# Altium PCB 3-as-manufactured.PcbDoc (part 4 of 16)
Units mil, origin at the board's own origin, x right, y up, seen from the top; angles counter-clockwise.
Board outline 4130.55 x 4250 mil, 8 copper layers (L1_TOP, L2_GND, L3_INT, L4_PWR, L5_PWR, L6_INT, L7_GND, L8_BOT), stack 61 mil thick; 584 components, 489 nets, 2229 pads, 1894 vias.
Unrouted connection lines stored in the file: 4.
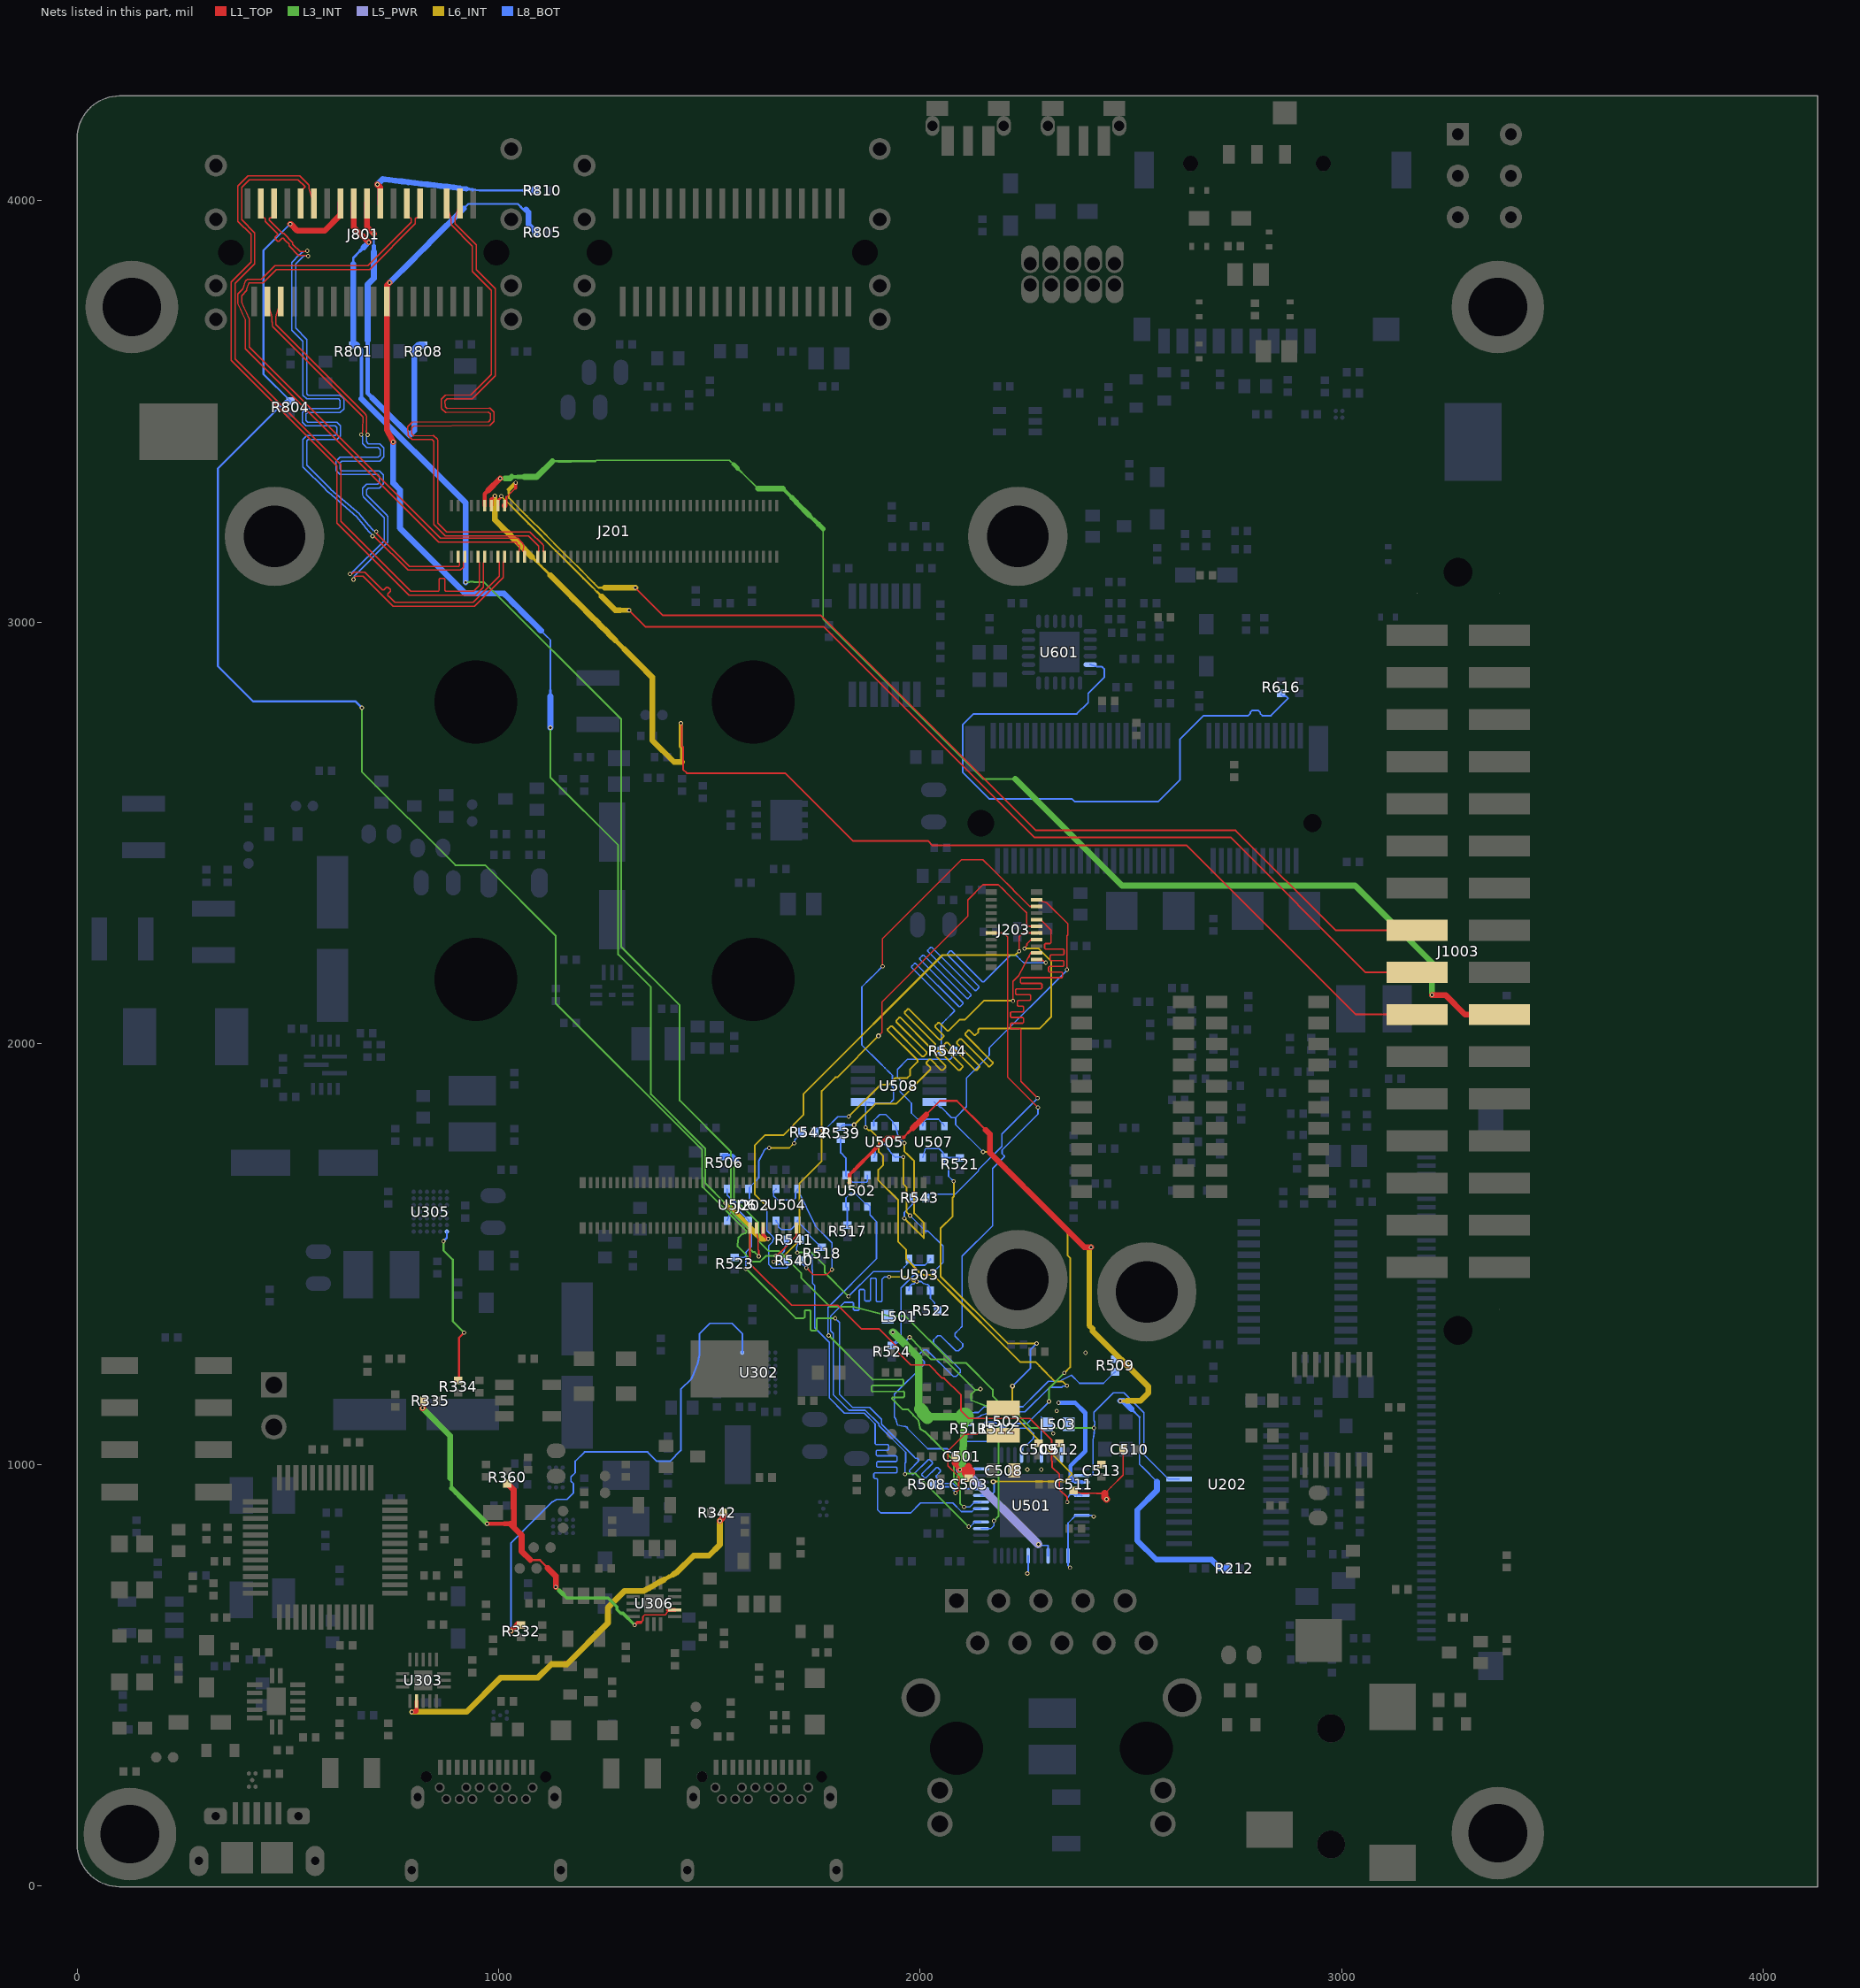
[diagram p10: the nets of this part, all layers, seen from the top]

## Via types
v1: diameter 10, hole 5.9, L1_TOP to L8_BOT, tented both sides, 1703 vias
v2: diameter 12, hole 5.9, L1_TOP to L8_BOT, tented both sides, 110 vias
v3: diameter 10, hole 6, L1_TOP to L8_BOT, tented both sides, 69 vias
v4: diameter 12, hole 6, L1_TOP to L8_BOT, tented both sides, 12 vias

## Nets (pads, with @x,y where several pads share a name; then routed paths per layer and width w, separated by ;. In a path a pad name is that pad's centre, name@x,y a point inside that pad or via, vN(x,y) a via of type N, cw(c..) or ccw(c..) an arc to the next point about the centre after c; other vN are vias at no path point) (continued)
DIF1_P: R616.1 U601.17 | length 1557.8
  L8_BOT w4: U601.17@2403.41,2899.33 2419.45,2894.13 2429.37,2894.13 2429.49,2894.12 2429.61,2894.12 2429.73,2894.11 2429.85,2894.1 2429.97,2894.08 2430.09,2894.07 2430.21,2894.05 2430.33,2894.02 2430.45,2894 2430.57,2893.97 2430.69,2893.93 2430.8,2893.9 2430.92,2893.86 2431.03,2893.82 2431.15,2893.77 2431.26,2893.72 2431.37,2893.67 2431.48,2893.62 2431.59,2893.56 2431.69,2893.5 2431.8,2893.44 2431.9,2893.38 2432,2893.31 2432.1,2893.24 2432.2,2893.17 2432.3,2893.09 2432.39,2893.01 2432.48,2892.93 2432.57,2892.85 2432.66,2892.76 2435.97,2889.45 2436.04,2889.38 2436.13,2889.29 2436.21,2889.2 2436.28,2889.1 2436.36,2889.01 2436.43,2888.91 2436.5,2888.81 2436.57,2888.71 2436.64,2888.61 2436.7,2888.5 2436.76,2888.39 2436.82,2888.29 2436.87,2888.18 2436.92,2888.07 2436.97,2887.95 2437.02,2887.84 2437.06,2887.73 2437.1,2887.61 2437.13,2887.49 2437.17,2887.38 2437.2,2887.26 2437.22,2887.14 2437.25,2887.02 2437.27,2886.9 2437.29,2886.78 2437.3,2886.66 2437.31,2886.54 2437.32,2886.42 2437.33,2886.29 2437.33,2886.17 2437.19,2886.03 2437.19,2869.23 2398.57,2830.61 2398.57,2809.36 2371.68,2782.47 2126.59,2782.47 2100.62,2756.51 2100.62,2643.51 2163.38,2580.75 2359.71,2580.75 2366.55,2573.92 2564.43,2573.92 2616.61,2626.1 2616.61,2722.3 2672.61,2778.3 2756.34,2778.3 2778.21,2778.3 2783.01,2783.1 2783.01,2785.93 2787.81,2790.73 2802.21,2790.73 2807.01,2785.93 2807.01,2783.1 2811.81,2778.3 2832.29,2778.3 2837.81,2783.82 2873.12,2819.13 2873.12,2819.33 2868.25,2824.2 2860.54,2824.2 R616.1@2856.54,2828.2
DSI_BL_PWM: J202.64 J801.B8 R804.2 | length 3638.8
  L1_TOP w4: v1(1657.7,1496) 1658.84,1496 1667.09,1504.26 1667.82,1504.26 1706,1542.44 J202.64@1706,1561.93
  L1_TOP w14.05: v1(505,3944.97) 506.03,3944.97 522.1,3928.9 586.55,3928.9 623.94,3966.29 J801.B8@623.94,3993.5
  L3_INT w4.2: v1(675.08,2796.74) 675.08,2644.92 896.86,2423.14 967.18,2423.14 1135,2255.32 1135,2095.08 1482.69,1747.39 1482.69,1660.13 1535.22,1607.6 1535.22,1607.25 1587.15,1555.32 1587.15,1551.84 1584.68,1549.38 1575.42,1546.13 1568.92,1539.63 1566.82,1521.59 ; 1566.82,1521.54 1566.82,1518.11 1603.04,1481.89 1619.92,1481.89 1634.03,1496 v1(1657.7,1496)
  L8_BOT w5: v1(505,3944.97) 504.48,3944.97 441.32,3881.81 441.32,3589.06 R804.2@505.58,3524.78 493.43,3524.78 333.38,3364.74 333.38,2895.71 417.45,2811.64 660.18,2811.64 v1(675.08,2796.74)
DSI_CK_N: J201.15 J801.A2 | length 1530.9
  L1_TOP w3: J801.A2@450.71,3761.22 456.26,3743.45 461.82,3725.67 461.91,3713.17 461.92,3713.05 461.92,3712.93 461.93,3712.8 461.94,3712.68 461.96,3712.56 461.98,3712.44 462,3712.32 462.06,3712.14 cw(c459.21,3711.2) 462.21,3711.26 462.24,3707.09 ccw(c474.24,3707.22) 465.73,3698.76 676.63,3487.86 cw(c674.49,3485.76) 677.49,3485.74 677.01,3456.28 cw(c674.01,3456.33) 676.9,3455.52 676.86,3455.38 ccw(c688.42,3452.15) 676.42,3452.35 cw(c673.42,3452.39) 676.22,3451.32 v1(673.75,3444.9) ; v1(646.96,3114.49) 647.84,3115.37 652.93,3115.37 656.13,3118.57 681.51,3118.57 722.84,3077.24 723.91,3076.17 727.58,3076.33 733.17,3082.39 736.84,3082.54 742.58,3077.26 742.73,3073.58 736.64,3066.97 736.79,3063.29 740.5,3059.58 741.56,3058.52 753.08,3047 938.92,3047 1001.54,3109.62 1001.54,3129.48 1001.42,3129.61 1001.42,3141.79 998.04,3145.16 J201.15@998.04,3155.16
  L8_BOT w3: v1(646.96,3114.49) 648.86,3114.49 651.51,3117.15 651.74,3117.15 728,3193.41 728,3246.76 ccw(c725,3246.76) 727.12,3248.88 680.17,3295.83 cw(c688.68,3304.29) 676.68,3304.23 676.68,3305.6 676.68,3317.56 686.55,3327.44 712.38,3327.44 716.98,3332.04 716.98,3345.84 712.38,3350.44 623.6,3350.44 613.72,3360.31 613.72,3381.56 623.6,3391.44 713.95,3391.44 718.55,3396.04 718.55,3409.84 713.95,3414.44 686.55,3414.44 676.68,3424.31 676.68,3432.17 676.68,3440.08 673.75,3443.01 v1(673.75,3444.9)
DSI_CK_P: J201.17 J801.A3 | length 1535.9
  L1_TOP w3: J801.A3@482.21,3761.22 476.65,3743.48 471.1,3725.74 471.2,3712.39 471.21,3711.31 471.24,3707.18 ccw(c474.24,3707.22) 472.11,3705.11 683.01,3494.2 cw(c674.49,3485.76) 686.49,3485.63 686.01,3456.18 cw(c674.01,3456.33) 685.56,3453.09 685.53,3452.96 ccw(c688.42,3452.15) 685.78,3450.72 686.88,3448.69 cw(c684.25,3447.26) 687.01,3448.43 v1(688.6,3444.66) v1@685.82,3444.7 ; v1(655,3101) 656.34,3102.34 656.34,3106.05 659.86,3109.57 677.78,3109.57 749.35,3038 942.65,3038 1010.54,3105.89 1010.54,3133.21 1010.42,3133.34 1010.42,3141.79 1013.79,3145.16 J201.17@1013.79,3155.16
  L8_BOT w3: v1(655,3101) 656.34,3102.34 656.34,3109.02 737,3189.68 737,3246.76 ccw(c725,3246.76) 733.49,3255.24 686.55,3302.18 cw(c688.68,3304.29) 685.68,3304.27 685.68,3305.6 685.68,3313.84 690.28,3318.44 716.11,3318.44 725.98,3328.31 725.98,3349.56 716.11,3359.44 627.32,3359.44 622.72,3364.04 622.72,3377.84 627.32,3382.44 717.67,3382.44 727.55,3392.31 727.55,3413.56 717.67,3423.44 690.28,3423.44 685.68,3428.04 685.68,3432.17 685.68,3439.84 688.6,3442.76 v1(688.6,3444.66)
DSI_D0_N: J201.3 J801.B2 | length 1505.2
  L1_TOP w3: J801.B2@434.96,3965.01 440.47,3959.5 444.46,3959.5 446.22,3957.74 446.22,3950.86 464.85,3932.23 465.91,3931.16 475.1,3921.97 475.1,3919.21 468.82,3912.93 468.82,3910.18 475.26,3903.74 478.02,3903.74 485.54,3911.26 488.3,3911.26 493.4,3906.16 494.46,3905.1 502.13,3897.43 502.13,3892.95 524.66,3870.42 542.51,3870.42 543.05,3869.88 546.43,3869.88 v1(547.77,3868.54) ; v1(709.48,3215.26) 710.81,3213.92 710.81,3209.91 788.31,3132.41 905.17,3132.41 906.92,3134.17 906.92,3141.79 903.55,3145.16 J201.3@903.55,3155.16
  L8_BOT w3: v1(547.77,3868.54) 540.09,3870.36 ccw(c539.4,3867.44) 537.29,3869.57 531.37,3863.65 530.65,3862.93 517.99,3850.27 517.99,3698.2 543.96,3670.99 544.4,3670.55 544.4,3546.32 544.4,3542.18 547.85,3538.73 623.48,3538.73 632.2,3530.01 632.2,3506.46 623.48,3497.73 546.13,3497.73 542.68,3494.28 542.68,3478.18 546.13,3474.73 615.77,3474.73 624.49,3466.01 624.49,3442.46 615.77,3433.73 547.85,3433.73 544.4,3430.28 544.4,3410.03 544.4,3372.63 597.84,3319.2 597.84,3319.09 601.26,3315.67 601.5,3315.42 ccw(c603.61,3317.55) 601.65,3315.28 669.07,3257.11 cw(c661.23,3248.03) 670.61,3255.5 690.01,3231.07 ccw(c692.36,3232.93) 690.12,3230.93 701.54,3218.14 ccw(c703.78,3220.14) 701.85,3217.84 ; 701.87,3217.83 ccw(c703.78,3220.14) 702.9,3217.27 v1(709.48,3215.26)
DSI_D0_P: J201.5 J801.B3 | length 1536
  L1_TOP w3: J801.B3@466.46,3993.5 466.46,3965 460.96,3959.5 456.97,3959.5 455.22,3957.74 455.22,3954.59 487.21,3922.59 489.7,3922.59 511.13,3901.15 511.13,3896.68 528.39,3879.42 540.06,3879.42 540.6,3879.97 543.98,3879.97 v1(545.32,3881.31) ; v1(700.09,3203.9) 701.42,3202.57 705.43,3202.57 784.58,3123.41 908.9,3123.41 915.92,3130.44 915.92,3141.79 919.3,3145.16 J201.5@919.3,3155.16
  L8_BOT w3: v1(545.32,3881.31) 536.46,3879.07 ccw(c539.4,3867.44) 530.92,3875.93 528.29,3873.29 527.65,3872.65 526.92,3871.93 508.99,3854 508.99,3693.23 535.4,3666.82 535.4,3546.32 535.4,3538.46 544.12,3529.73 619.75,3529.73 623.2,3526.28 623.2,3510.18 619.75,3506.73 542.4,3506.73 533.68,3498.01 533.68,3474.46 542.4,3465.73 612.04,3465.73 615.49,3462.28 615.49,3446.18 612.04,3442.73 544.12,3442.73 535.4,3434.01 535.4,3410.03 535.4,3368.91 588.84,3315.47 588.84,3315.36 595.14,3309.05 ccw(c603.61,3317.55) 595.77,3308.48 663.19,3250.3 cw(c661.23,3248.03) 663.56,3249.9 682.96,3225.47 ccw(c692.36,3232.93) 683.41,3224.94 694.83,3212.15 ccw(c703.78,3220.14) 696.1,3210.92 ; 696.13,3210.9 cw(c694.22,3208.58) 696.87,3209.98 v1(700.09,3203.9)
DSI_D1_N: J201.9 J801.B5 | length 1663.2
  L1_TOP w3: J801.B5@529.45,3993.5 529.45,4022 539.31,4031.86 539.31,4032.25 540.49,4033.42 540.49,4033.62 523.81,4050.3 408.08,4050.3 389.62,4031.84 389.62,3955.16 420.66,3924.12 420.66,3850.37 373.95,3803.67 373.95,3625.09 625,3374.04 625,3239 790.82,3073.18 840.5,3073.18 856.88,3073.18 858.83,3075.13 858.83,3101.78 860.78,3103.73 869.88,3103.73 871.83,3101.78 871.83,3075.13 873.78,3073.18 888.28,3073.18 940.24,3073.18 954.01,3086.95 954.01,3129.72 953.9,3129.82 953.9,3130.22 954.04,3141.2 J201.9@950.81,3150.49
DSI_D1_P: J201.11 J801.B6 | length 1663.5
  L1_TOP w3: J801.B6@560.95,3993.5 555.39,4011.29 549.84,4029.09 549.74,4035.44 549.74,4035.57 549.73,4035.69 549.72,4035.81 549.71,4035.93 549.69,4036.05 549.67,4036.17 549.65,4036.29 549.62,4036.41 549.59,4036.53 549.56,4036.65 549.53,4036.76 549.49,4036.88 549.45,4036.99 549.4,4037.11 549.36,4037.22 549.31,4037.33 549.25,4037.44 549.2,4037.55 549.14,4037.66 549.08,4037.76 549.01,4037.87 548.95,4037.97 548.88,4038.07 548.81,4038.17 548.73,4038.26 548.65,4038.36 548.57,4038.45 548.49,4038.54 548.41,4038.63 548.21,4038.63 527.53,4059.3 404.36,4059.3 380.62,4035.57 380.62,3951.43 411.66,3920.4 411.66,3854.1 364.95,3807.4 364.95,3621.36 616,3370.31 616,3235.27 787.1,3064.18 943.97,3064.18 963.01,3083.22 963.01,3129.96 963.18,3130.13 963.32,3141.08 J201.11@966.56,3150.49
DSI_D2_N: J201.21 J801.B13 | length 1545.1
  L1_TOP w3: 392.69,3790.94 392.69,3790.74 380.76,3778.81 380.76,3758.68 380.62,3758.54 380.62,3758.06 380.62,3757.94 380.62,3757.82 380.63,3757.7 380.64,3757.58 380.66,3757.45 380.67,3757.33 380.69,3757.21 380.72,3757.09 380.74,3756.98 380.77,3756.86 380.81,3756.74 380.84,3756.62 380.88,3756.51 380.93,3756.39 380.97,3756.28 381.02,3756.17 381.04,3756.12 386.87,3743.51 392.69,3730.9 398.51,3718.29 398.65,3718.15 398.65,3649.04 857.59,3190.1 1041.02,3190.1 1042.78,3188.34 1042.78,3186.69 1043.52,3185.95 1043.42,3185.85 1043.42,3184.76 1045.77,3182.41 1046.86,3182.41 1049.2,3180.07 1048.54,3169.46 J201.21@1045.3,3155.16 ; 392.69,3790.99 392.69,3791.11 392.69,3791.23 392.7,3791.35 392.72,3791.47 392.73,3791.59 392.75,3791.72 392.77,3791.84 392.8,3791.95 392.83,3792.07 392.86,3792.19 392.89,3792.31 392.93,3792.42 392.97,3792.54 399,3808.98 399.03,3809.03 399.07,3809.15 399.12,3809.26 399.17,3809.37 399.22,3809.48 399.28,3809.59 399.34,3809.69 399.4,3809.8 399.47,3809.9 399.53,3810 399.61,3810.1 399.68,3810.2 399.75,3810.3 399.83,3810.39 399.91,3810.48 399.99,3810.57 400.08,3810.66 400.42,3811 400.81,3811 403.78,3813.96 436.51,3813.96 468.55,3846 689.28,3846 792.67,3949.39 792.67,3957.74 790.91,3959.5 786.92,3959.5 781.42,3965 J801.B13@781.42,3993.5
DSI_D2_P: J201.23 J801.B14 | length 1545
  L1_TOP w3: J801.B14@812.92,3993.5 812.91,3964.99 807.42,3959.5 803.43,3959.5 801.67,3957.74 801.67,3945.66 693.01,3837 472.28,3837 440.24,3804.96 407.5,3804.96 407.36,3804.82 401.97,3790.11 401.97,3787.29 389.76,3775.08 389.76,3759.22 389.9,3759.08 395.72,3746.47 401.54,3733.86 407.37,3721.26 407.39,3721.21 407.44,3721.09 407.48,3720.98 407.53,3720.87 407.57,3720.75 407.6,3720.63 407.64,3720.52 407.67,3720.4 407.69,3720.28 407.72,3720.16 407.74,3720.04 407.75,3719.92 407.77,3719.8 407.78,3719.68 407.79,3719.55 407.79,3719.43 407.79,3719.31 407.79,3718.84 407.65,3718.7 407.65,3652.77 861.32,3199.1 1044.75,3199.1 1051.78,3192.07 ; 1051.78,3192.03 1057.98,3185.83 1057.27,3185.12 1057.35,3185.04 1057.44,3184.95 1057.52,3184.85 1057.59,3184.76 1057.67,3184.66 1057.74,3184.57 1057.81,3184.47 1057.88,3184.36 1057.94,3184.26 1058,3184.15 1058.06,3184.05 1058.12,3183.94 1058.17,3183.83 1058.22,3183.72 1058.27,3183.61 1058.31,3183.49 1058.35,3183.38 1058.39,3183.26 1058.43,3183.14 1058.46,3183.03 1058.49,3182.91 1058.51,3182.79 1058.54,3182.67 1058.56,3182.55 1058.57,3182.43 1058.58,3182.31 1058.59,3182.19 1058.6,3182.06 1058.61,3181.94 1058.61,3181.82 1058.6,3181.7 1058.6,3181.58 1057.8,3168.88 J201.23@1061.03,3155.16
DSI_D3_N: J201.27 J801.B16 | length 1521.1
  L1_TOP w3: J801.B16@875.91,3993.5 881.46,3975.73 887.01,3957.95 887.13,3946.26 887.29,3946.09 887.29,3942.45 937.46,3892.28 937.46,3832.62 982.36,3787.72 982.36,3588.07 972.13,3577.85 933.81,3539.53 873.31,3539 871.99,3537.68 863.52,3529.06 863.52,3527.19 863.69,3507.81 865.01,3506.49 873.63,3498.02 875.49,3498.02 975.27,3498.89 979.91,3494.33 980.03,3480.53 975.47,3475.89 794.12,3474.3 792.8,3472.98 784.33,3464.36 784.33,3462.5 784.5,3443.11 785.82,3441.79 794.44,3433.32 796.3,3433.32 841.54,3433.71 846.16,3429.17 846.16,3425.02 846.16,3231.85 872.91,3205.1 1070.34,3205.1 1094.87,3180.57 1094.87,3167.5 J201.27@1092.54,3165.17
DSI_D3_P: J201.29 J801.B17 | length 1532.9
  L1_TOP w3: 896.41,3946.26 896.41,3946.06 946.46,3896.01 946.46,3836.34 991.36,3791.45 991.36,3584.35 984.97,3577.96 937.57,3530.56 877.09,3530.03 872.53,3525.39 872.66,3511.59 877.3,3507.03 977.07,3507.91 978.94,3507.91 987.56,3499.44 988.88,3498.12 989.05,3478.73 989.05,3476.87 980.57,3468.25 979.26,3466.93 797.9,3465.33 793.34,3460.69 793.47,3446.89 798.11,3442.33 843.34,3442.73 845.2,3442.73 853.83,3434.26 855.16,3432.92 855.16,3425.1 855.16,3235.57 876.63,3214.1 1074.07,3214.1 1103.87,3184.29 1103.87,3184.12 1104.19,3184.12 1105.78,3182.53 1105.78,3169.93 1105.05,3169.2 1105.05,3168.02 1105.41,3167.66 1105.78,3167.66 1108.29,3165.15 J201.29@1108.29,3155.16 ; 896.41,3946.31 896.29,3958.04 901.85,3975.77 J801.B17@907.41,3993.5
DSI_EN: J202.54 J801.A11 R805.2 | length 3210
  L1_TOP w7.92: J202.54@1627.26,1561.93 1627.26,1546.5 v1@1637.36,1536.4
  L1_TOP w8.94: v1@1637.36,1536.4 v1(1639.32,1536.4)
  L1_TOP w14.05: v1(740.88,3805.71) 734.17,3799 734.17,3457.04 v1(749.33,3427.61)
  L3_INT w4.3: v1(1122.42,2749.52) 1122.42,2631.14 1283.18,2470.38 1283.18,2211.43 1361,2133.61 1361,1879.33 1489.94,1750.39 1489.94,1668.73 v1(1538.03,1620.65)
  L6_INT w7.92: v1(1538.03,1620.65) 1548.56,1610.11
  L6_INT w8.94: 1630.8,1536.4 v1(1639.32,1536.4)
  L6_INT w13.03: 1611.74,1546.93 1622.27,1536.4 1630.8,1536.4
  L6_INT w14.05: 1548.56,1610.11 1611.74,1546.93
  L8_BOT w3.83: 1100.41,2979.73 1111.44,2968.71 1122.42,2957.73 1122.42,2883.37 1122.42,2838.75
  L8_BOT w4.85: 916.74,3981.57 927.65,3992.49 927.69,3992.53 1045.26,3992.53 1052.18,3985.6
  L8_BOT w5.87: 1052.18,3985.6 1058.94,3978.85 1064.72,3978.85
  L8_BOT w6.9: 1122.42,2823.88 1122.42,2838.75
  L8_BOT w14.05: v1(740.88,3805.71) 796.65,3861.48 807.57,3872.4 829.4,3894.23 840.32,3905.15 916.74,3981.57 ; v1(749.33,3427.61) 749.33,3329.76 765.33,3313.76 765.33,3223.27 920.66,3067.94 1012.2,3067.94 1023.23,3056.91 1034.26,3045.89 1045.28,3034.86 1056.31,3023.84 1089.39,2990.76 1100.41,2979.73 ; 1064.72,3978.85 1070.48,3973.09 1070.48,3943.59 1086.04,3928.03 1086.04,3927.05 R805.2@1088.01,3925.06 ; v1(1122.42,2749.52) 1122.42,2823.88
DSI_TS_NINT: J202.52 J801.B9 R801.2 | length 3028.8
  L1_TOP w3.5: J202.52@1611.5,1561.93 1613.42,1548.98 1615.35,1536.03 1615.35,1510.8 1617,1509.15 v1(1617,1495)
  L1_TOP w14.05: J801.B9@655.44,3993.5 655.43,3937.39 679.36,3913.46 v1(691.32,3901.5)
  L3_INT w4.2: v1(921.54,3094.41) 922.47,3095.34 930.72,3095.34 930.93,3095.56 940.13,3095.56 940.34,3095.34 964.66,3095.34 1290.43,2769.57 1290.43,2229.4 1429.37,2090.46 1429.37,1864.63 1550.73,1743.27 1550.73,1601.93 1594.35,1558.3 1594.35,1513.91 1603.25,1505.01 1606.99,1505.01 v1(1617,1495)
  L8_BOT w5.87: 654.88,3850.24 654.88,3865.06 671.08,3881.26
  L8_BOT w7.92: 685.25,3895.43 v1(691.32,3901.5)
  L8_BOT w8.94: R801.2@663.43,3657.58 674.09,3646.92 674.09,3530.2 ; 671.08,3881.26 679.18,3889.36
  L8_BOT w14.05: 654.88,3850.24 654.88,3657.58 R801.2@663.43,3657.58 ; 674.09,3530.2 921.54,3282.75 v1(921.54,3094.41) ; 679.18,3889.36 685.25,3895.43
DSI_TS_SCL: J801.B11 R810.1 | length 431
  L1_TOP w14.05: v1(711.8,4038.81) 718.43,4032.19 J801.B11@718.43,3993.5
  L8_BOT w4.85: 938.29,4026.46 953.58,4024.69 1058.14,4024.69
  L8_BOT w6.9: 1058.14,4024.69 1073.07,4024.69
  L8_BOT w7.92: 923.01,4028.24 938.29,4026.46
  L8_BOT w12.01: 907.73,4030.01 923.01,4028.24
  L8_BOT w14.05: v1(711.8,4038.81) 724.32,4051.33 739.61,4049.55 754.89,4047.78 770.17,4046 785.46,4044.23 800.74,4042.45 816.02,4040.67 831.31,4038.9 846.59,4037.12 861.87,4035.34 877.16,4033.57 892.44,4031.79 907.73,4030.01 ; 1073.07,4024.69 R810.1@1088.01,4024.67
DSI_TS_SDA: J801.B10 R808.1 | length 838.9
  L1_TOP w14.05: J801.B10@686.93,3993.5 686.93,3938.29 v1(703.33,3921.88)
  L8_BOT w4.85: 703.33,3893.01 703.33,3906.73
  L8_BOT w6.9: 703.33,3906.73 v1(703.33,3921.88)
  L8_BOT w9.96: 688.82,3668.48 688.82,3542.81 699.87,3531.77 ; 703.33,3879.28 703.33,3893.01
  L8_BOT w14.05: 688.82,3668.48 688.82,3747.03 688.82,3801.49 703.33,3816 703.33,3879.28 ; 699.87,3531.77 744.05,3487.58 755.1,3476.54 766.14,3465.49 788.24,3443.4 799.28,3454.44 799.28,3648.27 808.59,3657.58 R808.1@820.76,3657.59
ECSPI2_MISO: J201.16 J1003.21 | length 2667.8
  L1_TOP w4: v1(1309,3028.23) 1331.3,3005.94 1347.93,2989.3 1770.83,2989.3 2270.7,2489.43 2736.24,2489.43 3056.89,2168.78 J1003.21@3179.19,2168.79
  L1_TOP w5.87: J201.16@998.05,3289.09 1005.65,3296.69 v1(1005.65,3299.26)
  L1_TOP w6.9: J201.16@998.04,3276.42 J201.16@998.05,3289.09
  L6_INT w3.83: v1(1005.65,3299.26) 1027.34,3277.58 ; 1222.48,3082.44 1233.32,3071.6
  L6_INT w4.85: 1027.34,3277.58 1070.7,3234.22 1135.75,3169.17 1146.59,3158.33 1157.43,3147.49 1179.11,3125.8 1189.95,3114.96 1200.79,3104.12 1222.48,3082.44
  L6_INT w5.87: 1233.32,3071.6 1244.16,3060.76
  L6_INT w12.01: 1287.46,3028.23 v1(1309,3028.23)
  L6_INT w14.05: 1244.16,3060.76 1265.84,3039.08 1276.68,3028.23 1287.46,3028.23
ECSPI2_MOSI: J201.18 J1003.19 | length 2688.3
  L1_TOP w3.5: 1017.88,3296.47 1028.88,3307.47 1039.88,3318.47
  L1_TOP w4: v1(1323.83,3081.78) 1323.9,3081.78 1389.49,3016.19 1764.18,3016.19 2274.67,2505.7 2748.62,2505.7 2985.54,2268.78 J1003.19@3179.19,2268.79
  L1_TOP w5.87: J201.18@1013.79,3276.42 1017.88,3280.51 1017.88,3296.47
  L1_TOP w7.92: 1039.88,3318.47 v1(1039.88,3330.86)
  L6_INT w3.83: 1023.88,3294.65 1045.15,3273.37 1055.79,3262.73 1066.43,3252.09 1077.07,3241.45 1098.35,3220.17 1108.99,3209.54 1119.63,3198.9 1140.91,3177.62 1151.55,3166.98 1162.19,3156.34 1172.82,3145.7 1194.1,3124.42 1204.74,3113.78 1215.38,3103.14 1226.02,3092.5 1236.66,3081.87
  L6_INT w4.85: 1023.88,3294.65 1023.88,3304.75 ; 1236.66,3081.87 1251.18,3081.87
  L6_INT w6.9: 1023.88,3304.75 1023.88,3314.85
  L6_INT w9.96: 1023.88,3314.85 v1(1039.88,3330.86)
  L6_INT w14.05: 1251.18,3081.87 1251.27,3081.78 v1(1323.83,3081.78)
ECSPI2_SCLK: J201.14 J1003.23 | length 3041.6
  L1_TOP w4: v1(1432.17,2760.31) 1433.32,2759.16 1433.32,2755.96 1434.31,2754.97 1434.31,2705.86 1437.09,2703.07 1437.09,2650.47 1445.89,2641.66 1457.54,2641.66 1458.08,2641.13 1680.3,2641.13 1840.4,2481.03 2018.05,2481.03 2028.98,2470.1 2632.23,2470.1 3033.55,2068.78 J1003.23@3179.19,2068.79
  L1_TOP w6.9: 982.3,3291.09 v1@990.54,3299.32
  L1_TOP w7.92: v1@990.54,3299.32 v1(990.54,3299.51)
  L1_TOP w9.96: J201.14@982.29,3276.42 982.3,3291.09
  L6_INT w5.87: 1089.46,3144.1 1100.45,3133.11 1111.44,3122.12 1122.43,3111.12
  L6_INT w6.9: 1078.47,3155.09 1089.46,3144.1
  L6_INT w8.94: v1(1432.17,2760.31) 1432.17,2760.02 1431.84,2759.69 1431.84,2704.83 1434.85,2701.82 1434.85,2668.09
  L6_INT w10.99: 990.54,3285.39 v1(990.54,3299.51) ; 1276.31,2957.25 1287.3,2946.26 1298.29,2935.27
  L6_INT w14.05: 990.54,3285.39 990.54,3243.02 1001.53,3232.03 1012.52,3221.03 1023.51,3210.04 1034.5,3199.05 1045.5,3188.06 1078.47,3155.09 ; 1122.43,3111.12 1133.42,3100.13 1144.41,3089.14 1155.41,3078.15 1166.4,3067.16 1177.39,3056.17 1188.38,3045.18 1221.35,3012.21 1232.34,3001.22 1243.33,2990.22 1254.32,2979.23 1265.32,2968.24 1276.31,2957.25 ; 1298.29,2935.27 1309.28,2924.28 1320.27,2913.29 1331.26,2902.3 1364.23,2869.32 1364.24,2719.73 1415.88,2668.09 1434.85,2668.09
ECSPI2_SS0: J201.12 J1003.24 | length 3184.7
  L1_TOP w9.96: J201.12@966.54,3276.42 966.56,3304.37 974.71,3312.53
  L1_TOP w14.05: 974.71,3312.53 v1(1003.26,3341.08) ; v1@3214.43,2115.14 3246.53,2115.14 3292.89,2068.78 J1003.24@3374.07,2068.79
  L3_INT w3.5: 1231.93,3384.28 1307.06,3384.28 1502.38,3384.28 1547.46,3384.28 ; 1769.37,3221.72 1769.37,3053.42 1769.37,3007.52 1834.45,2942.44 1845.3,2931.6 1964.6,2812.29 1975.45,2801.44 2040.53,2736.37 2051.37,2725.52 2083.91,2692.98 2148.99,2627.91 2225.59,2627.91
  L3_INT w3.83: 1229.51,3381.85 1231.93,3384.28 ; 1547.46,3384.28 1557.11,3374.63 ; 1576.41,3355.32 1615.02,3316.71